# KiCad board vme-wren.kicad_pcb (continued)
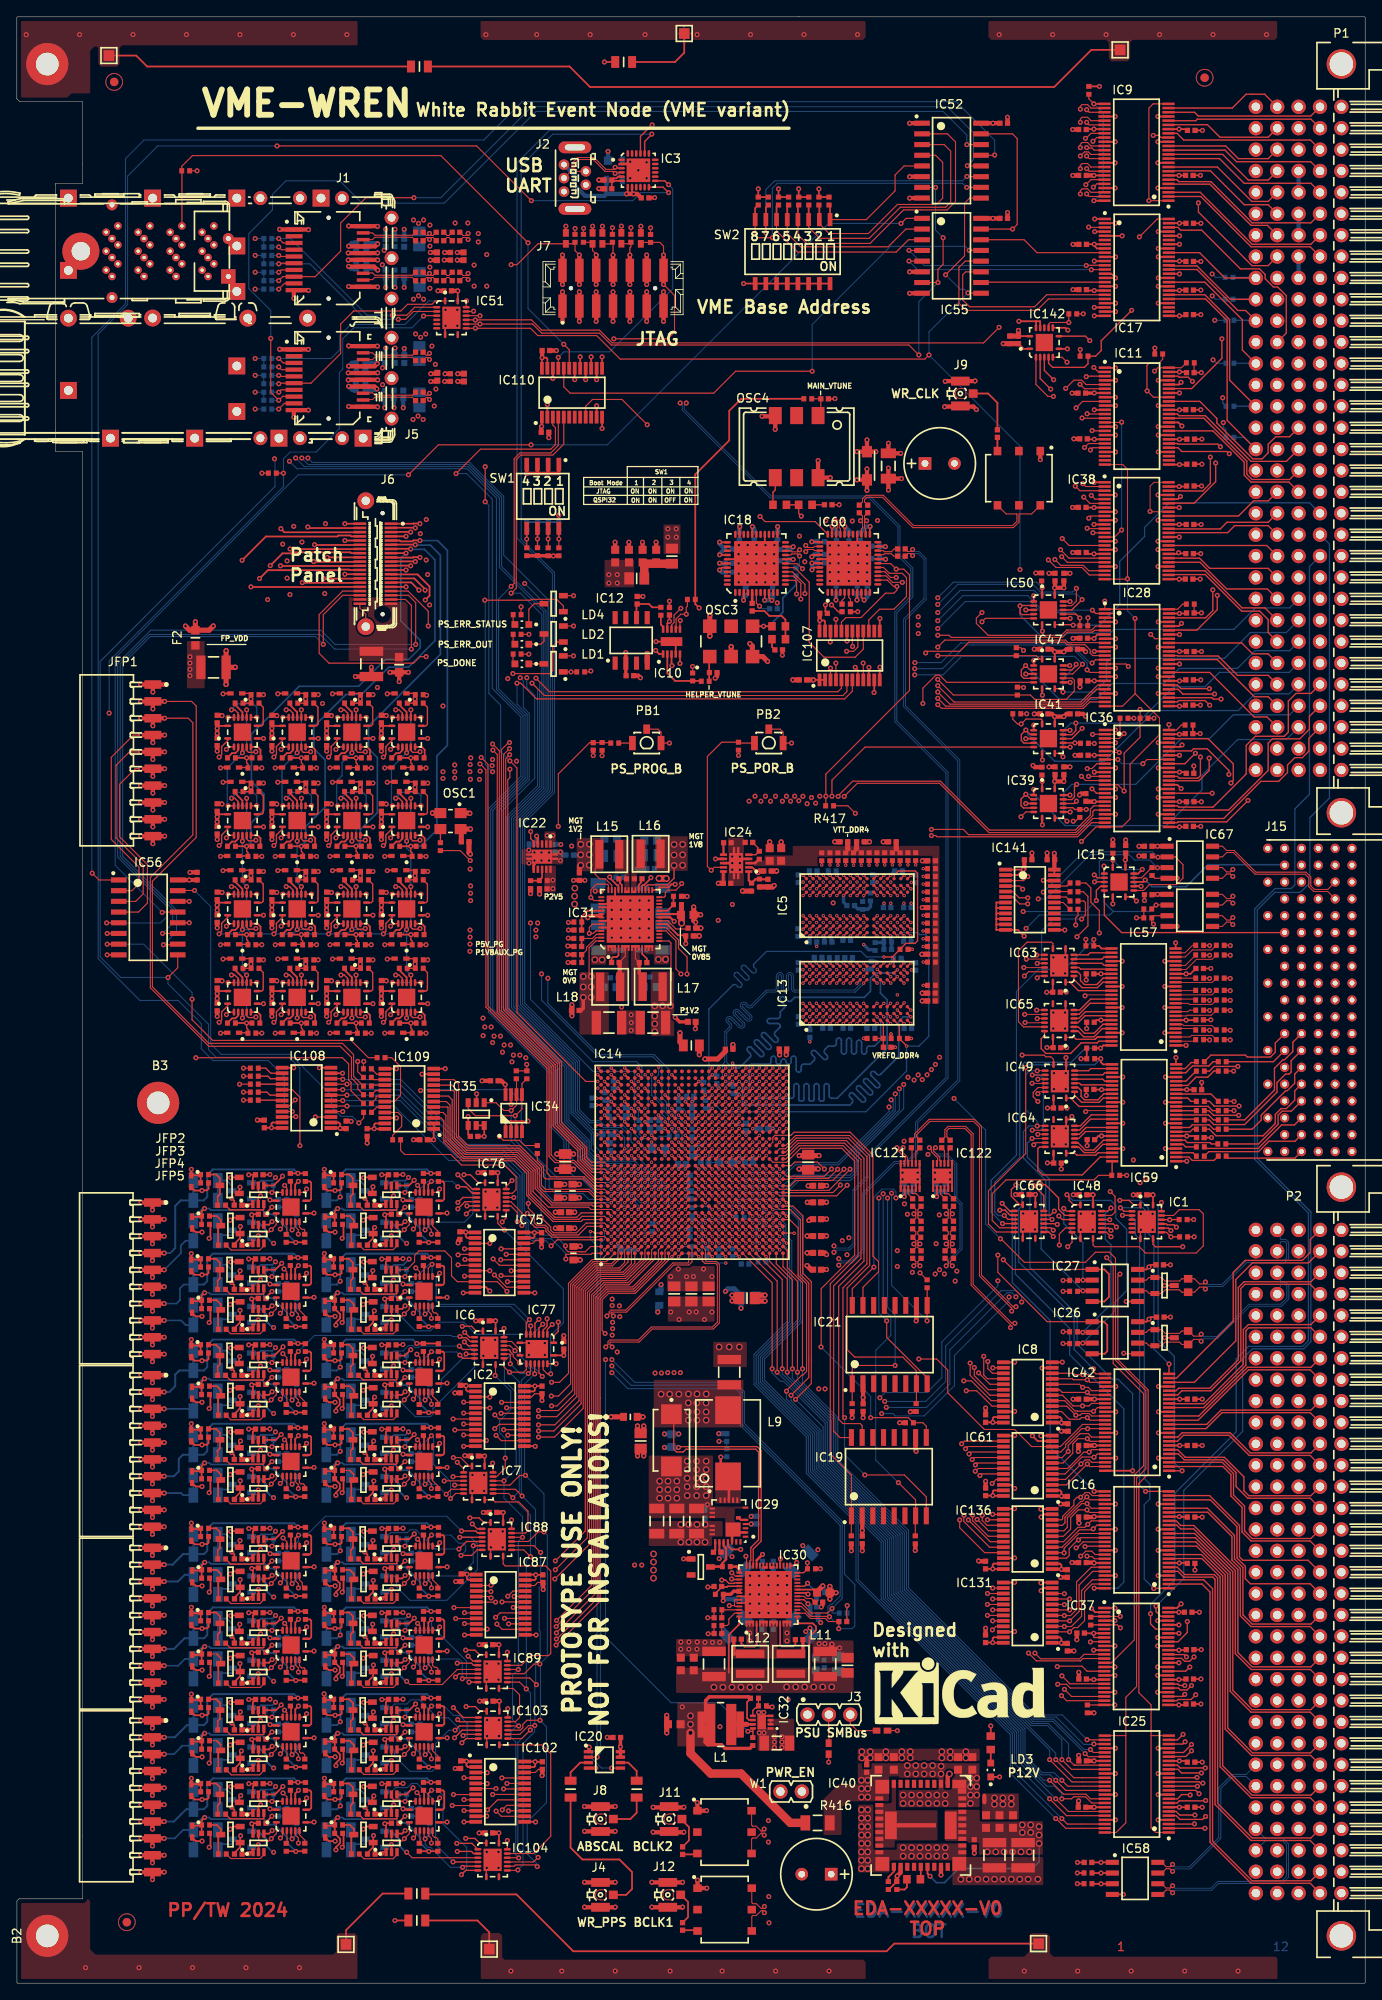
[diagram p0: board, top side]
## Routing (per net, layer and track width the routed paths; a pad name or vN(x,y) marks a point on that pad's centre or on a via; arc(x,y) is an arc through that point) (continued)
/io_drivers_pp/bank3/OUT0: length 180.4
  Top Layer w0.125: IC136.21 114.94,51.11 111.97,54.08 v2(111.97,55)
  Top Layer w0.15: v2(44.39,146.49) 44.69,146.79 IC139.2 ; IC139.5 46.79,146.36 47.02,146.14 47.81,146.14 v2(47.88,146.21)
  L3 w0.125: v2(50.6,151.64) 61.58,151.64 70.38,142.84 89.49,142.84 v2(91.4,140.93)
  L8 w0.15: v2(44.39,146.49) 44.49,146.59 46.76,146.59 47.13,146.21 v2(47.88,146.21) 47.88,148.92 v2(50.6,151.64)
  L10 w0.125: v2(91.4,140.93) 91.41,140.94 91.41,141.44 93.46,143.49 109.48,143.49 117.15,135.81 117.15,99.66 114.15,96.66 114.15,79.04 109.91,74.8 109.91,59.99 111.97,57.93 v2(111.97,55)
/io_drivers_pp/bank3/OUT1: length 176.6
  Top Layer w0.125: v2(112.49,55.55) 112.46,55.52 112.46,54.82 115.51,51.76 IC136.20
  Top Layer w0.15: IC139.12 45.79,150.79 45.39,151.19 v2(44.99,151.19) ; IC139.9 v2(47.99,150.29)
  L3 w0.125: v2(90.91,140.34) 90.91,141.06 89.39,142.59 70.28,142.59 61.58,151.29 54.25,151.29 53.25,150.29 v2(47.99,150.29)
  L3 w0.15: v2(44.99,151.19) 45.89,150.29 v2(47.99,150.29)
  L10 w0.125: v2(112.49,55.55) 112.45,55.55 112.45,57.8 110.16,60.09 110.16,74.7 114.4,78.94 114.4,96.55 117.4,99.55 117.4,135.92 109.58,143.74 93.36,143.74 90.91,141.29 v2(90.91,140.34)
/io_drivers_pp/bank3/OUT2: length 193
  Top Layer w0.125: IC136.19 115.59,52.41 v2(113,55)
  Top Layer w0.15: v2(41.38,146.21) 41.31,146.14 40.52,146.14 40.29,146.36 IC140.5 ; IC140.2 38.19,146.79 v2(37.89,146.49)
  L3 w0.125: v2(90.11,140.93) 90.11,141.51 89.28,142.34 70.17,142.34 61.47,151.04 54.36,151.04 53.04,149.72 43.72,149.72 42.82,150.62 v2(42.82,153.84)
  L8 w0.15: v2(42.82,153.84) 42.44,153.84 41.79,153.19 41.79,152.78 40.99,151.98 40.99,146.61 ; 40.99,146.61 38.01,146.61 v2(37.89,146.49) ; 40.99,146.61 v2(41.38,146.21)
  L10 w0.125: v2(113,55) 113,57.65 110.41,60.24 110.41,74.59 114.65,78.84 114.65,96.45 117.65,99.45 117.65,136.02 109.69,143.99 93.17,143.99 v2(90.11,140.93)
/io_drivers_pp/bank3/OUT3: length 182.8
  Top Layer w0.125: v2(113.51,55.58) 113.51,54.92 115.36,53.06 IC136.18
  Top Layer w0.15: IC140.12 39.29,150.79 38.89,151.19 v2(38.49,151.19) ; IC140.9 v2(41.49,150.29)
  L3 w0.125: v2(89.51,140.34) 89.51,141.17 88.59,142.09 70.07,142.09 61.37,150.79 54.47,150.79 53.16,149.47 42.3,149.47 v2(41.49,150.29)
  L3 w0.15: v2(38.49,151.19) 39.39,150.29 v2(41.49,150.29)
  L10 w0.125: v2(113.51,55.58) 113.51,57.49 110.66,60.34 110.66,74.49 114.9,78.73 114.9,96.35 117.9,99.35 117.9,136.12 109.79,144.24 92.73,144.24 89.51,141.02 v2(89.51,140.34)
/io_drivers_pp/bank3/OUT4: length 196.3
  Top Layer w0.125: IC136.17 115.4,53.71 v2(114.05,55.07)
  Top Layer w0.15: IC138.2 31.69,146.79 v2(31.39,146.49) ; IC138.5 33.79,146.36 34.02,146.14 34.81,146.14 v2(34.88,146.21)
  L3 w0.125: v2(88.91,140.93) 88.91,141.42 88.49,141.84 69.97,141.84 61.26,150.54 54.58,150.54 53.08,149.04 45.1,149.04 43.96,147.9 42.87,147.9 42.49,148.27 38.67,148.27 36.3,150.64 v2(36.3,151.94)
  L8 w0.125: v2(36.3,151.94) 36.3,149.19 34.88,147.77 v2(34.88,146.21) 34.52,146.57 31.48,146.57 v2(31.39,146.49)
  L10 w0.125: v2(88.91,140.93) 92.47,144.49 109.89,144.49 118.15,136.23 118.15,99.24 115.15,96.24 115.15,78.63 110.91,74.39 110.91,60.44 114.05,57.31 v2(114.05,55.07)
/io_drivers_pp/bank3/OUT5: length 191
  Top Layer w0.125: v2(114.65,55.54) 114.65,54.94 115.23,54.36 IC136.16
  Top Layer w0.15: IC138.12 32.79,150.79 32.39,151.19 v2(31.99,151.19) ; IC138.9 v2(34.99,150.29)
  L3 w0.125: v2(88.36,140.34) 88.36,141.19 87.96,141.59 69.86,141.59 61.16,150.29 54.68,150.29 53.18,148.79 45.21,148.79 43.66,147.24 37,147.24 36.28,147.96 36.28,149 v2(34.99,150.29) 32.89,150.29 v2(31.99,151.19)
  L10 w0.125: v2(114.65,55.54) 114.65,57.09 111.16,60.59 111.16,74.28 115.4,78.52 115.4,96.14 118.4,99.14 118.4,136.33 110,144.74 92.03,144.74 88.36,141.07 v2(88.36,140.34)
/io_drivers_pp/bank3/OUT6: length 201.3
  Top Layer w0.125: v2(115.27,55.02) 115.27,55.01 IC136.15
  Top Layer w0.15: IC137.2 25.19,146.79 v2(24.89,146.49) ; v2(28.38,146.21) 28.31,146.14 27.52,146.14 27.29,146.36 IC137.5
  L3 w0.125: v2(24.89,146.49) 24.98,146.57 28.02,146.57 v2(28.38,146.21) 28,146.59 28,150.49 28.29,150.77 29.55,150.77 33.33,146.99 43.76,146.99 45.31,148.54 53.28,148.54 54.78,150.04 61.06,150.04 69.76,141.34 87.25,141.34 v2(87.66,140.93)
  L10 w0.125: v2(115.27,55.02) 115.27,56.83 111.41,60.69 111.41,74.18 115.65,78.42 115.65,95.94 118.65,98.94 118.65,136.44 110.1,144.99 91.73,144.99 v2(87.66,140.93)
/io_drivers_pp/bank3/OUT7: length 200
  Top Layer w0.125: IC136.14 115.9,55.66 v2(115.9,55.67)
  Top Layer w0.15: IC137.9 v2(28.49,150.29) ; IC137.12 26.29,150.79 25.89,151.19 v2(25.49,151.19)
  L3 w0.125: v2(86.96,140.34) 86.21,141.09 69.66,141.09 60.95,149.79 54.89,149.79 53.39,148.29 46.74,148.29 45.2,146.75 45.2,145.46 44.74,145 32.14,145 30.8,146.34 30.8,146.96 28.49,149.28 v2(28.49,150.29)
  L10 w0.125: v2(86.96,140.34) 86.96,140.92 91.29,145.24 110.2,145.24 118.9,136.54 118.9,98.84 115.9,95.84 115.9,78.32 111.66,74.08 111.66,60.79 115.9,56.56 v2(115.9,55.67)
  Bottom Layer w0.15: v2(25.49,151.19) 25.79,151.49 25.79,151.69 25.99,151.89 28.09,151.89 28.49,151.49 v2(28.49,150.29)
/IOEXP.ALL_OE_N: length 408.3
  Top Layer w0.1: v2(120.57,100.29) 120.59,100.27 121.46,100.27 121.48,100.29 IC64.13 ; v2(120.57,106.84) 120.59,106.82 121.46,106.82 121.48,106.84 IC49.13 ; v2(119.59,120.59) 119.6,120.57 121.39,120.57 121.41,120.59 IC63.13 ; v2(119.74,114.06) 119.77,114.02 121.39,114.02 121.41,114.04 IC65.13
  Top Layer w0.125: IC88.13 v2(60.05,52.94) ; IC76.13 v2(59.02,93.29) ; IC89.13 v2(59.55,37.24) ; IC6.13 58.56,75.69 v2(59.16,75.09) ; v2(55,197.97) 54.99,197.99 IC51.13 ; v2(33.06,104.87) 32.33,104.14 IC108.20 ; IC103.13 v2(59.6,30.54) ; IC77.13 62,72.44 v2(62.4,72.04) ; IC104.13 59.59,14.89 v2(59.6,14.88) ; IC7.13 v2(57.85,59.64)
  Top Layer w0.15: R104.1 136.94,90.66 v2(136.91,90.64) 136.9,90.65 IC1.13 ; 129.81,90.67 v2(129.79,90.65) 129.78,90.66 IC48.13 ; IC66.13 122.93,90.69 v2(122.94,90.67) 122.96,90.7
  L3 w0.125: v2(59.02,93.29) 59.02,92.31 60.71,90.62 60.71,82.49 59.16,80.93 v2(59.16,75.09) ; v2(119.59,120.59) 119.1,120.1 119.1,114.69 v2(119.74,114.06) 119.91,113.89 119.91,109.64 119.24,108.97 119.24,108.17 v2(120.57,106.84) 120.11,106.39 120.11,100.75 v2(120.57,100.29) ; v2(117.84,81.47) 117.84,85.57 v2(122.94,90.67) 123.03,90.59 129.73,90.59 v2(129.79,90.65) 129.8,90.64 v2(136.91,90.64)
  L5 w0.125: v2(59.02,93.29) 58.31,93.99 58.31,96.69 55.76,99.24 37.66,99.24 33.06,103.83 v2(33.06,104.87) ; v2(59.16,75.09) 65.31,75.09 69.82,70.59 83.25,70.59 86.42,67.42 96.15,67.42 96.87,68.14 102.19,68.14 v2(102.7,67.63)
  L10 w0.125: v2(55,197.97) 54.05,197.97 53.82,197.74 50.4,197.74 49.64,196.98 42.76,196.98 31.36,185.58 28.74,185.58 25.22,182.06 25.22,177.83 13.1,165.71 13.1,131.98 22.6,122.49 22.6,108.46 26.71,104.35 32.54,104.35 v2(33.06,104.87)
  Bottom Layer w0.125: v2(117.84,81.47) 117.84,81.02 111.35,74.54 111.35,70.94 107.77,67.35 104.33,67.35 104.05,67.63 v2(102.7,67.63) ; v2(59.6,14.88) 59.25,15.23 59.25,28.65 58.67,29.23 58.67,29.84 59.36,30.54 v2(59.6,30.54) 58.87,31.28 58.87,36.55 v2(59.55,37.24) 59.55,52.44 v2(60.05,52.94) 60.05,55.39 57.85,57.59 v2(57.85,59.64) 59.3,61.09 59.3,70.14 57.9,71.54 57.9,73.84 v2(59.16,75.09) 61.21,73.04 61.49,73.04 62.4,72.13 v2(62.4,72.04)
  Bottom Layer w0.15: v2(120.57,100.29) 120,99.73 120,98.09 122.61,95.49 122.61,91 v2(122.94,90.67)
/IOEXP.ALL_RST_N: length 505
  Top Layer w0.1: IC64.10 121.2,101.79 v2(121.19,101.77) ; v2(121.11,122.07) 121.13,122.09 IC63.10 ; IC49.10 121.2,108.34 v2(121.19,108.32) ; IC65.10 121.13,115.54 v2(121.11,115.52)
  Top Layer w0.125: v2(60.5,34.94) 59.7,35.74 IC89.10 ; IC52.9 113.16,211.95 112.55,211.34 112.55,205.09 v2(110.3,202.84) ; IC108.17 32.71,106.09 33.61,105.19 v2(33.61,99.44) ; v2(59.5,13.44) 59.45,13.39 IC104.10 ; IC7.10 58.4,58.14 v2(58.9,57.64) ; v2(17.95,119.41) 19.1,120.56 IC56.9 ; IC88.10 60.2,51.44 v2(61,50.64) ; v2(112.95,200.69) 112.99,200.65 IC55.9 ; v2(108.32,193.32) 107.84,192.83 71.65,192.83 68.86,195.62 61.87,195.62 61.01,196.49 54.47,196.49 v2(54.45,196.5) 54.44,196.49 IC51.10 ; IC103.10 59.95,29.04 v2(60.98,30.06) ; IC76.10 58.11,90.85 v2(57.64,90.38) ; IC77.10 60.5,72.84 60.2,72.54 v2(58.5,72.54) 57.85,73.19 IC6.10
  Top Layer w0.15: IC66.10 122.55,89.19 v2(123.09,88.65) ; R103.1 v2(137.06,88.61) 136.53,89.15 IC1.10 ; IC48.10 129.4,89.16 v2(129.94,88.62)
  L3 w0.125: v2(137.06,88.61) 137.05,88.62 v2(129.94,88.62) ; v2(57.64,90.38) 59.46,88.56 59.46,82.59 57.37,80.49 57.37,73.68 v2(58.5,72.54) ; v2(121.19,108.32) 121.19,109.29 120.59,109.89 120.59,115 v2(121.11,115.52) 120.69,115.94 120.69,121.66 v2(121.11,122.07) 121.11,123.2 122.7,124.79 122.7,132.69 121.2,134.19 121.2,141.48 121.26,141.53 121.26,150.44 121.32,150.5 121.32,150.9 121.2,151.02 121.2,156.79 121.32,156.91 121.32,158.59 121.26,158.65 121.26,165.72 v2(119.14,167.84) ; v2(123.09,88.65) 129.91,88.65
  L3 w0.15: 129.91,88.65 v2(129.94,88.62)
  L5 w0.125: v2(57.64,90.38) 56.36,91.67 56.36,95.89 53.81,98.44 34.61,98.44 v2(33.61,99.44)
  L10 w0.125: v2(30.6,180.99) 31.65,182.04 35.2,182.04 41.2,188.04 44.95,188.04 47.3,190.39 47.3,193.44 49.15,195.29 53.24,195.29 v2(54.45,196.5)
  Bottom Layer w0.125: v2(121.19,108.32) 120.29,108.32 119.8,107.84 119.8,103.72 121.19,102.34 v2(121.19,101.77) ; v2(110.3,202.84) 112.03,201.11 112.53,201.11 v2(112.95,200.69) 108.32,196.06 v2(108.32,193.32) 119.14,182.5 v2(119.14,167.84) ; v2(30.6,180.99) 30.65,180.94 30.65,177.69 9.9,156.94 9.9,121.84 12.34,119.41 v2(17.95,119.41) 17.95,118.67 22.76,113.86 22.76,110.84 23.66,109.94 32.32,109.94 33.61,108.64 v2(33.61,99.44) ; v2(59.5,13.44) 60.1,14.04 60.1,15.49 59.5,16.09 59.5,28.59 v2(60.98,30.06) 61.01,30.09 61.01,34.44 v2(60.5,34.94) 60.5,50.14 v2(61,50.64) 61,55.54 v2(58.9,57.64) 59.67,58.4 59.67,71.37 v2(58.5,72.54)
  Bottom Layer w0.15: v2(123.09,88.65) 122.19,89.55 122.19,95.31 119.54,97.96 119.54,101.11 120.2,101.77 v2(121.19,101.77)
/IOEXP.FPIO_D: length 5.4
  Top Layer w0.125: R449.1 44.63,100.67 45.7,101.74 45.7,102.94 45.27,103.38 IC109.21
/IOEXP.FPIO_RCLK: length 3
  Top Layer w0.15: IC108.15 30.11,107.39 29.81,107.69 R450.1
/IOEXP.FPIO_SCLK: length 3.1
  Top Layer w0.15: R452.1 29.56,108.64 30.16,108.04 IC108.14
/IOEXP.GPIO_D: length 2.1
  Top Layer w0.125: R463.1 42.65,105.01 42.65,105.24 42.74,105.33 IC109.18
/IOEXP.GPIO_Q: length 62.7
  Top Layer w0.125: v2(113.1,205.74) 114.49,205.74 IC55.13 ; v2(94.45,191.39) 85.36,191.39 82.76,188.79 65.7,188.79 64.95,189.54 IC110.20
  Bottom Layer w0.125: v2(113.1,205.74) 112.62,206.23 103.74,206.23 94.45,196.94 v2(94.45,191.39)
/IOEXP.GPIO_RCLK: length 1.8
  Top Layer w0.125: R460.1 42.76,104.03 IC109.20
/IOEXP.GPIO_SCLK: length 7.9
  Top Layer w0.125: IC109.19 44.84,104.68 45.57,105.4 45.57,108.83 44.5,109.89 R462.1
/IOEXP.HWBYTE1_D: length 2
  Top Layer w0.125: IC141.21 124.72,130.26 R399.1
/IOEXP.HWBYTE1_RCLK: length 2.1
  Top Layer w0.125: IC141.19 124.61,128.96 R386.1
/IOEXP.HWBYTE2_D: length 1.9
  Top Layer w0.125: IC141.20 125.06,129.61 R396.1
/IOEXP.HWBYTE2_RCLK: length 2.2
  Top Layer w0.125: IC141.18 124.26,128.31 R387.1
/IOEXP.VME_D: length 2.8
  Top Layer w0.15: R456.1 IC108.16
/IOEXP.VME_RCLK: length 2.9
  Top Layer w0.15: R455.1 31.45,104.84 IC108.19
/IOEXP.VME_SCLK: length 3
  Top Layer w0.15: IC108.18 30.06,105.44 29.71,105.79 R458.1
/PCIE.PER_N: length 1.3
  Top Layer w0.115: C375.2 51.08,202.52 51.32,202.52 C514.2
/PCIE.PER_P: length 1.3
  Top Layer w0.115: C374.2 51.08,202.76 51.32,202.76 C513.2
/PCIE.PERST_N: length 70
  Top Layer w0.125: v2(64.95,194.59) 65.6,193.94 IC110.19 ; v2(60.7,206.64) 50.35,216.99 20.85,216.99 19.58,215.72 R446.2 19.6,215.17 J13.C1
  Bottom Layer w0.125: v2(60.7,206.64) 60.7,198.84 v2(64.95,194.59)
/PCIE.PET_N: length 1.3
  Top Layer w0.115: C516.2 51.32,207.51 51.08,207.51 C233.2
/PCIE.PET_P: length 1.3
  Top Layer w0.115: C515.2 51.32,207.27 51.08,207.27 C230.2
/PCIE.REFCLK_N: length 238.2
  Top Layer w0.115: IC14.Y5 84.98,89.47
  L3 w0.1: 84.99,89.46 85.37,89.08 85.37,87.58 85.12,87.33 85.12,86.31 85.77,85.67 92.76,85.67 93.21,86.12 94.11,86.12 95.28,87.29 96.79,87.29 v2(97.04,87.54)
  L10 w0.1: J13.A2 11.82,207.89 12.12,207.59 12.77,207.59 13.3,208.12 13.3,212.73 14.79,214.22 50.3,214.22 61.47,203.05 76.61,203.05 79.01,200.64 79.01,187.85 v2(78.78,187.62)
  Bottom Layer w0.115: v2(78.78,187.62) 79.02,187.37 79.02,186.78 89.46,176.34 101.2,176.34 104.64,172.9 104.64,169.47 106.17,167.94 106.17,164.71 104.27,162.81 104.27,149.76 110.34,143.69 110.34,107.54 100.99,98.19 100.99,95.89 99.29,94.19 99.29,87.79 98.79,87.28 97.3,87.28 v2(97.04,87.54)
  vias: v1(84.99,89.46)
/PCIE.REFCLK_P: length 239.3
  Top Layer w0.115: IC14.Y6 84.98,90.27
  L3 w0.1: v2(97.04,86.78) 96.79,87.03 95.39,87.03 94.22,85.86 93.32,85.86 92.87,85.41 85.66,85.41 84.86,86.21 84.86,87.33 84.61,87.58 84.61,89.88 84.99,90.26
  L10 w0.1: v2(79.51,187.62) 79.27,187.85 79.27,200.75 76.72,203.31 61.58,203.31 50.41,214.48 14.68,214.48 13.04,212.84 13.04,208.23 12.66,207.85 12.23,207.85 12,208.07 J13.A1
  Bottom Layer w0.115: v2(97.04,86.78) 97.3,87.04 98.88,87.04 99.53,87.69 99.53,94.09 101.23,95.79 101.23,98.09 110.58,107.44 110.58,143.79 104.51,149.86 104.51,162.71 106.41,164.61 106.41,168.04 104.88,169.57 104.88,173 101.3,176.58 89.56,176.58 79.26,186.88 79.26,187.37 v2(79.51,187.62)
  vias: v1(84.99,90.26)
/pcie_connector/PCIE_PER_AC_N: length 70.4
  Top Layer w0.115: C514.1 52.98,202.52 53.35,202.52 v2(53.6,202.28)
  L3 w0.1: J13.B5 14.4,206.21 13.27,207.34 13.27,214.34 16.4,217.47 52.66,217.47 57.48,212.64 57.48,205.39 54.61,202.51 53.83,202.51 v2(53.6,202.28)
/pcie_connector/PCIE_PER_AC_P: length 69.5
  Top Layer w0.115: C513.1 52.98,202.76 53.35,202.76 v2(53.6,203)
  L3 w0.1: v2(53.6,203) 53.83,202.77 54.5,202.77 57.22,205.49 57.22,212.54 52.55,217.21 16.51,217.21 13.53,214.24 13.53,207.44 14.59,206.39 J13.B4
/pcie_connector/PCIE_PET_AC_N: length 47
  Top Layer w0.115: v2(53.6,207.75) 53.35,207.51 52.98,207.51 C516.1
  L3 w0.1: v2(53.6,207.75) 53.36,207.52 51.49,207.52 51.06,207.94 51.06,209.56 45.43,215.2 23.21,215.2 20.65,212.64 20.65,207.56 22,206.21 J13.D5
/pcie_connector/PCIE_PET_AC_P: length 47
  Top Layer w0.115: v2(53.6,207.03) 53.35,207.27 52.98,207.27 C515.1
  L3 w0.1: J13.D4 22.19,206.39 20.91,207.66 20.91,212.54 23.32,214.94 45.32,214.94 50.8,209.46 50.8,207.84 51.38,207.26 53.36,207.26 v2(53.6,207.03)
/PP_ID0: length 87.4
  Top Layer w0.125: v2(10.66,125.89) 10.68,125.9 IC56.5 ; v2(47.37,158.95) 47.37,163.93 46.51,164.79 J6.35
  Bottom Layer w0.125: v2(47.37,158.95) 37.79,158.95 36.1,160.64 15.9,160.64 11.97,156.71 11.97,133.7 17.83,127.84 17.83,126.64 17.08,125.89 v2(10.66,125.89)
/PP_ID1: length 72.7
  Top Layer w0.125: v2(36.39,158.96) 36.39,162.48 38.7,164.79 J6.36 ; v2(17.41,123.29) 19.03,123.29 IC56.10
  Bottom Layer w0.125: v2(36.39,158.96) 35.46,159.89 15.86,159.89 12.56,156.59 12.56,133.82 18.96,127.42 18.96,124.84 v2(17.41,123.29)
/PP_ID2: length 81.5
  Top Layer w0.125: v2(46.85,158.39) 46.85,163.59 46.16,164.29 J6.37 ; v2(17.31,124.64) 17.31,124.63 IC56.11
  Bottom Layer w0.125: v2(17.31,124.64) 18.51,125.84 18.51,127.51 12.27,133.75 12.27,156.66 15.76,160.14 36,160.14 37.75,158.39 v2(46.85,158.39)
/PP_LED0_DATA: length 70.3
  Top Layer w0.125: J6.33 46.46,165.29 48.86,162.89 v2(48.86,161.14) ; R187.2 40.48,108.22 v2(40.48,109.44)
  L5 w0.125: v2(48.86,161.14) 50,160 50,139.69 50.34,139.35 50.34,112.18 47.35,109.19 45,109.19 44.76,108.95 40.97,108.95 v2(40.48,109.44)
/PP_LED1_DATA: length 80.6
  Top Layer w0.125: v2(41.2,109.44) 41.16,109.4 R188.2 ; J6.34 38.7,165.29 35.9,162.49 35.9,157.9 37.07,156.73 47.12,156.73 47.89,157.5 v2(48.61,157.5)
  L5 w0.125: v2(41.2,109.44) 46.75,109.44 50.09,112.78 50.09,139.24 49.75,139.58 49.75,156.36 v2(48.61,157.5)
/PP_OE_N: length 539
  Top Layer w0.125: v2(48.3,197.94) 48.35,197.99 IC51.4 ; R316.1 v2(31.66,179.29)
  Top Layer w0.15: IC126.10 v2(27.29,119.69) ; IC133.10 v2(46.79,130.19) ; IC132.13 v2(38.09,129.29) ; IC139.1 44.54,147.54 43.83,146.82 43.83,145.87 v2(43.53,145.57) ; IC133.1 44.54,126.54 43.83,125.83 43.83,124.88 v2(43.53,124.58) ; IC125.13 v2(31.59,118.79) ; IC128.13 v2(31.59,139.79) ; IC129.13 v2(25.09,139.79) ; IC125.1 31.54,116.04 30.83,115.33 30.83,114.38 v2(30.53,114.08) ; IC62.10 v2(46.79,119.69) ; IC132.1 38.04,126.54 37.33,125.83 37.33,124.88 v2(37.03,124.58) ; v2(43.53,114.08) 43.83,114.38 43.83,115.33 44.54,116.04 IC62.1 ; IC138.13 v2(31.59,150.29) ; IC140.10 v2(40.29,151.19) ; IC124.13 v2(38.09,118.79) ; IC130.1 44.54,137.04 43.83,136.32 43.83,135.37 v2(43.53,135.07) ; IC128.10 v2(33.79,140.69) ; IC127.10 v2(40.29,140.69) ; IC129.10 v2(27.29,140.69) ; IC124.10 v2(40.29,119.69) ; IC126.1 25.04,116.04 24.33,115.33 24.33,114.38 v2(24.03,114.08) ; IC124.1 38.04,116.04 37.33,115.33 37.33,114.38 v2(37.03,114.08) ; v2(37.03,135.07) 37.33,135.37 37.33,136.32 38.04,137.04 IC127.1 ; IC138.10 v2(33.79,151.19) ; IC62.13 v2(44.59,118.79) ; IC137.13 v2(25.09,150.29) ; IC129.1 25.04,137.04 24.33,136.32 24.33,135.37 v2(24.03,135.07) ; v2(30.53,124.58) 30.83,124.88 30.83,125.83 31.54,126.54 IC135.1 ; IC134.1 25.04,126.54 24.33,125.83 24.33,124.88 v2(24.03,124.58) ; IC138.1 31.54,147.54 30.83,146.82 30.83,145.87 v2(30.53,145.57) ; IC137.1 25.04,147.54 24.33,146.82 24.33,145.87 v2(24.03,145.57) ; v2(37.03,145.57) 37.33,145.87 37.33,146.82 38.04,147.54 IC140.1 ; IC132.10 v2(40.29,130.19) ; IC134.13 v2(25.09,129.29) ; IC130.10 v2(46.79,140.69) ; IC139.10 v2(46.79,151.19) ; IC134.10 v2(27.29,130.19) ; IC130.13 v2(44.59,139.79) ; IC133.13 v2(44.59,129.29) ; IC137.10 v2(27.29,151.19) ; IC139.13 v2(44.59,150.29) ; IC127.13 v2(38.09,139.79) ; IC135.10 v2(33.79,130.19) ; IC128.1 31.54,137.04 30.83,136.32 30.83,135.37 v2(30.53,135.07) ; IC135.13 v2(31.59,129.29) ; IC140.13 v2(38.09,150.29) ; IC126.13 v2(25.09,118.79) ; IC125.10 v2(33.79,119.69)
  Top Layer w0.2: IC137.4 v2(26.79,146.09) ; IC139.4 v2(46.29,146.09) ; IC62.4 v2(46.29,114.59) ; IC128.4 v2(33.29,135.59) ; IC129.4 v2(26.79,135.59) ; IC135.4 v2(33.29,125.09) ; IC130.4 v2(46.29,135.59) ; IC140.4 v2(39.79,146.09) ; IC126.4 v2(26.79,114.59) ; IC125.4 v2(33.29,114.59) ; IC138.4 v2(33.29,146.09) ; IC124.4 v2(39.79,114.59) ; IC133.4 v2(46.29,125.09) ; IC127.4 v2(39.79,135.59) ; IC132.4 v2(39.79,125.09) ; IC134.4 v2(26.79,125.09)
  L8 w0.125: 26.79,149.94 25.44,149.94 v2(25.09,150.29) 24.81,150 22.64,150 21.85,150.8 13.9,150.8 13.9,150.8 v2(10.96,150.8)
  L8 w0.15: v2(30.53,114.08) 30.79,114.35 30.79,117.99 v2(31.59,118.79) 31.49,118.89 31.49,119.9 31.78,120.19 33.29,120.19 v2(33.79,119.69) ; v2(30.53,114.08) 32.78,114.08 v2(33.29,114.59) 34.3,114.59 34.81,114.08 v2(37.03,114.08) ; v2(30.53,114.08) 27.91,114.08 27.4,114.59 v2(26.79,114.59) 26.28,114.08 v2(24.03,114.08) 24.29,114.35 24.29,117.99 v2(25.09,118.79) 24.99,118.89 24.99,119.9 25.28,120.19 26.79,120.19 v2(27.29,119.69) ; v2(46.29,114.59) 45.78,114.08 v2(43.53,114.08) ; v2(46.29,135.59) 45.78,135.07 v2(43.53,135.07) 41.31,135.07 40.8,135.59 v2(39.79,135.59) 39.28,135.07 v2(37.03,135.07) ; v2(33.79,151.19) 32.89,150.29 v2(31.59,150.29) 30.79,149.49 30.79,145.84 v2(30.53,145.57) ; v2(43.53,145.57) 43.79,145.84 43.79,149.49 v2(44.59,150.29) 45.89,150.29 v2(46.79,151.19) ; v2(43.53,145.57) 45.78,145.57 v2(46.29,146.09) ; v2(43.53,145.57) 40.91,145.57 40.4,146.09 v2(39.79,146.09) 39.28,145.57 v2(37.03,145.57) ; v2(37.03,114.08) 39.28,114.08 v2(39.79,114.59) 40.8,114.59 41.31,114.08 v2(43.53,114.08) ; v2(37.03,114.08) 37.29,114.35 37.29,117.99 v2(38.09,118.79) 37.99,118.89 37.99,119.9 38.28,120.19 39.79,120.19 v2(40.29,119.69) ; v2(46.79,119.69) 45.89,118.79 v2(44.59,118.79) 43.79,117.99 43.79,114.35 v2(43.53,114.08) ; v2(37.03,135.07) 34.81,135.07 34.3,135.59 v2(33.29,135.59) 32.78,135.07 v2(30.53,135.07) 28.31,135.07 27.8,135.59 v2(26.79,135.59) 26.54,135.34 24.29,135.34 v2(24.03,135.07) 23.37,135.07 23.29,135.15 23.29,136.63 25.09,138.43 v2(25.09,139.79) ; v2(37.03,135.07) 37.29,135.34 37.29,138.99 v2(38.09,139.79) 39.39,139.79 v2(40.29,140.69) 43.88,140.69 44.59,139.98 v2(44.59,139.79) 45.89,139.79 v2(46.79,140.69) ; v2(25.09,139.79) 25.09,140.38 23.6,141.87 23.6,145.15 v2(24.03,145.57) 26.28,145.57 v2(26.79,146.09) ; v2(25.09,139.79) 26.39,139.79 v2(27.29,140.69) 27.29,140.15 28.16,139.29 31.09,139.29 v2(31.59,139.79) 32.89,139.79 v2(33.79,140.69) ; v2(26.79,146.09) 27.4,146.09 27.91,145.57 v2(30.53,145.57) ; v2(26.79,146.09) 26.79,150.69 v2(27.29,151.19) ; v2(37.03,145.57) 34.41,145.57 33.9,146.09 v2(33.29,146.09) 32.78,145.57 v2(30.53,145.57) ; v2(37.03,145.57) 37.29,145.84 37.29,149.49 v2(38.09,150.29) 39.39,150.29 v2(40.29,151.19)
  Bottom Layer w0.125: v2(10.96,150.8) 10.96,156.99 31.66,177.69 v2(31.66,179.29) 31.66,180.99 32.46,181.79 35.54,181.79 38.3,184.55 38.3,191.24 38.7,191.64 38.7,195.24 40,196.54 46.9,196.54 v2(48.3,197.94)
  Bottom Layer w0.15: v2(33.29,125.09) 34.3,125.09 34.81,124.58 v2(37.03,124.58) 39.28,124.58 v2(39.79,125.09) ; v2(33.29,125.09) 33.79,125.59 IC135.10 ; v2(33.29,125.09) 32.78,124.58 v2(30.53,124.58) 27.91,124.58 27.4,125.09 v2(26.79,125.09) ; IC134.10 27.29,125.59 v2(26.79,125.09) ; IC134.10 v2(25.09,129.29) ; IC134.10 v2(27.29,130.19) 26.79,130.69 v2(26.79,135.59) 27.29,136.09 IC129.10 ; v2(26.79,125.09) 26.28,124.58 v2(24.03,124.58) ; v2(26.79,125.09) 26.79,120.19 v2(27.29,119.69) IC126.10 ; IC135.10 v2(33.79,130.19) 33.29,130.69 v2(33.29,135.59) 33.79,136.09 IC128.10 ; IC135.10 v2(31.59,129.29) ; IC128.10 v2(33.79,140.69) ; IC128.10 v2(31.59,139.79) 31.49,139.89 31.49,144.29 v2(33.29,146.09) 33.79,146.59 IC138.10 ; v2(31.59,150.29) IC138.10 ; IC138.10 v2(33.79,151.19) ; v2(46.29,125.09) 46.29,120.19 v2(46.79,119.69) IC62.10 ; v2(46.29,125.09) 46.79,125.59 IC133.10 ; v2(46.29,125.09) 45.78,124.58 v2(43.53,124.58) 41.31,124.58 40.8,125.09 v2(39.79,125.09) ; IC140.10 v2(40.29,151.19) ; IC140.10 40.29,146.59 v2(39.79,146.09) 38.62,144.92 38.62,143.37 37.99,142.74 37.99,139.89 v2(38.09,139.79) IC127.10 ; IC140.10 v2(38.09,150.29) ; v2(46.29,114.59) 46.79,115.09 IC62.10 ; IC132.10 v2(40.29,130.19) ; IC132.10 40.29,125.59 v2(39.79,125.09) ; IC132.10 v2(38.09,129.29) ; IC139.10 46.79,146.59 v2(46.29,146.09) 44.49,144.29 44.49,139.89 v2(44.59,139.79) IC130.10 ; IC139.10 v2(44.59,150.29) ; IC139.10 v2(46.79,151.19) ; v2(39.79,114.59) 40.29,115.09 IC124.10 ; v2(25.09,150.29) IC137.10 ; IC137.10 v2(27.29,151.19) ; IC137.10 27.29,146.59 v2(26.79,146.09) 24.99,144.29 24.99,139.89 v2(25.09,139.79) IC129.10 ; IC133.10 v2(46.79,130.19) 46.79,134.28 46.29,134.78 v2(46.29,135.59) 46.79,136.09 IC130.10 ; IC133.10 v2(44.59,129.29) ; v2(25.09,118.79) IC126.10 ; IC126.10 27.29,115.09 v2(26.79,114.59) ; v2(44.59,118.79) IC62.10 ; IC129.10 v2(27.29,140.69) ; v2(39.79,135.59) 40.29,136.09 IC127.10 ; v2(31.59,118.79) IC125.10 ; IC125.10 33.79,115.09 v2(33.29,114.59) ; IC125.10 v2(33.79,119.69) ; IC124.10 v2(40.29,119.69) ; IC124.10 v2(38.09,118.79) ; IC130.10 v2(46.79,140.69) ; IC127.10 v2(40.29,140.69)
/PP_OUT0: length 121.8
  Top Layer w0.15: v2(46.79,113.99) 46.79,113.39 46.95,113.24 R309.2 46.9,112.84 D77.1
  Top Layer w0.2: J6.1 47.08,173.29 47.1,173.31 47.85,173.31 v2(47.87,173.28) ; R164.2 R93.2
  L3 w0.2: v2(47.87,173.28) 47.85,173.31 40.69,173.31 39.41,174.59 29.55,174.59 18.81,163.85 18.81,117.7 20.4,116.11 20.4,114.31 24.7,110.01 42.81,110.01 v2(46.79,113.99)
/PP_OUT1: length 63.4
  Top Layer w0.15: R295.2 R281.2 R323.2 47.17,121.64 D78.1
  Top Layer w0.2: J6.2 v2(38.96,173.29)
  L5 w0.2: v2(47.29,120.99) 47.32,121.02 47.32,126.45 48.52,127.65 48.52,131.33 47.32,132.53 47.32,137 48.83,138.51 48.83,141.36 47.36,142.83 47.36,151.09 47.99,151.73 47.99,152.78 39.8,160.96 39.8,172.44 v2(38.96,173.29) 38.93,173.31
/PP_OUT2: length 110.1
  Top Layer w0.15: D79.1 40.4,112.84 R410.2 40.45,113.24 40.29,113.39 v2(40.29,113.99)
  Top Layer w0.2: J6.3 44.46,172.81 47.3,172.81 v2(47.32,172.78) ; R351.2 R337.2
  L3 w0.2: v2(47.32,172.78) 47.3,172.81 40.18,172.81 39.17,173.81 30.08,173.81 19.42,163.16 19.42,119.39 21.58,117.24 21.58,114.66 24.4,111.84 38.13,111.84 v2(40.29,113.99)
/PP_OUT3: length 64.3
  Top Layer w0.15: D80.1 40.67,121.64 R424.2 R365.2 R379.2
  Top Layer w0.2: v2(34.55,172.89) 34.68,172.76 40.71,172.76 J6.4
  L5 w0.2: v2(40.79,120.99) 39.2,122.58 39.2,130.64 38.42,131.43 38.42,137.7 36.32,139.8 36.32,145.52 35.05,146.79 35.05,148.09 35.6,148.64 35.6,152.14 34.55,153.19 v2(34.55,172.89)
/PP_OUT4: length 94.7
  Top Layer w0.15: D81.1 33.9,112.84 R510.2 33.95,113.24 33.79,113.39 v2(33.79,113.99)
  Top Layer w0.2: J6.5 44.46,172.31 46.74,172.31 v2(46.77,172.28) ; R448.2 R438.2
  L3 w0.2: v2(46.77,172.28) 46.74,172.31 31.72,172.31 21.94,162.53 21.94,118.01 24.32,115.63 24.32,114.73 25.72,113.32 33.12,113.32 v2(33.79,113.99)
/PP_OUT5: length 67.7
  Top Layer w0.15: R509.2 R508.2 R511.2 34.17,121.64 D82.1
  Top Layer w0.2: J6.6 40.72,172.26 31.78,172.26 v2(31.35,172.69)
  L5 w0.2: v2(34.29,120.99) 32.77,122.52 32.77,137.12 29.9,139.98 29.9,143.34 29.77,143.48 29.77,146.55 31.1,147.89 31.1,149.24 30.1,150.24 30.1,154 30.65,154.55 30.65,171.99 v2(31.35,172.69)
/PP_OUT6: length 83.5
  Top Layer w0.15: D83.1 27.4,112.84 R516.2 27.45,113.24 27.29,113.39 v2(27.29,113.99)
  Top Layer w0.2: R513.2 R512.2 ; J6.7 v2(46.22,171.79)
  L3 w0.2: v2(27.29,113.99) 27.32,114.02 27.32,114.81 22.8,119.32 22.8,162.04 30.2,169.44 34.2,169.44 34.6,169.84 44.27,169.84 v2(46.22,171.79)
/PP_OUT7: length 71.6
  Top Layer w0.15: R515.2 R514.2 R517.2 27.67,121.64 D84.1
  Top Layer w0.2: v2(26.75,168.94) 29.58,171.76 38.07,171.76 38.2,171.89 39.6,171.89 39.71,171.79 J6.8
  L5 w0.2: v2(26.75,168.94) 22,164.19 22,134.24 23.4,132.84 25.1,132.84 26.27,131.68 26.27,122.52 v2(27.79,120.99)
/PP_OUT8: length 49.2
  Top Layer w0.15: v2(46.79,134.99) 46.79,134.39 46.95,134.23 R534.2 46.9,133.84 D89.1
  Top Layer w0.2: J6.9 45.47,171.29 45.57,171.19 46.98,171.19 47.1,171.31 47.85,171.31 v2(47.87,171.28) ; R531.2 R530.2
  Bottom Layer w0.2: v2(46.79,134.99) 47.95,134.99 49.88,136.91 49.88,145.71 51.13,146.96 51.13,170.11 49.96,171.28 v2(47.87,171.28)
/PP_OUT9: length 38.3
  Top Layer w0.15: D90.1 47.17,142.64 R535.2 R532.2 R533.2
  Top Layer w0.2: J6.10 v2(38.96,171.29)
  L5 w0.2: v2(38.96,171.29) 38.96,168.84 38.1,167.99 38.1,166.54 38.5,166.14 38.5,159.1 43.34,154.26 43.34,149.67 45.75,147.27 45.75,143.52 v2(47.29,141.99)
/PP_OUT10: length 50.3
  Top Layer w0.15: D75.1 40.4,133.84 R262.2 40.45,134.23 40.29,134.39 v2(40.29,134.99)
  Top Layer w0.2: R219.2 R218.2 ; J6.11 44.46,170.81 47.3,170.81 v2(47.32,170.78)
  Bottom Layer w0.2: v2(40.29,134.99) 40.8,135.5 40.8,136.98 42.82,138.99 42.82,145.52 41.77,146.57 41.77,149.24 50.3,157.78 50.3,169.54 49.1,170.74 47.37,170.74 v2(47.32,170.78)
/PP_OUT11: length 39.6
  Top Layer w0.15: D76.1 40.67,142.64 R267.2 R220.2 R261.2
  Top Layer w0.2: J6.12 40.71,170.76 35.38,170.76 v2(35.35,170.79)
  L5 w0.2: v2(35.35,170.79) 35.8,170.34 35.8,160.29 36.92,159.17 36.92,154.34 36.98,154.34 39.59,151.73 39.59,147.03 40.82,145.8 40.82,142.01 v2(40.79,141.99)
/PP_OUT12: length 54.2
  Top Layer w0.15: D85.1 33.9,133.84 R522.2 33.95,134.23 33.79,134.39 v2(33.79,134.99)
  Top Layer w0.2: v2(46.77,170.28) 46.74,170.31 44.46,170.31 J6.13 ; R519.2 R518.2
  Bottom Layer w0.2: v2(33.79,134.99) 33.79,135.05 34.3,135.56 34.3,137.33 36.6,139.63 36.6,145.24 35.27,146.58 35.27,149.19 39.09,153.01 40.93,153.01 44.18,156.26 46.53,156.26 49.65,159.39 49.65,168.99 48.4,170.24 46.82,170.24 v2(46.77,170.28)
/PP_OUT13: length 40.7
  Top Layer w0.15: D86.1 34.17,142.64 R523.2 R520.2 R521.2
  Top Layer w0.2: v2(32.45,170.29) 32.48,170.26 40.72,170.26 J6.14
  L5 w0.2: v2(32.45,170.29) 33.27,169.48 33.27,146.98 34.32,145.93 34.32,141.85 34.29,141.88 v2(34.29,141.99)
